# Altium PCB P-MT3620RDB-1-7.PcbDoc (part 4 of 4)
Units mm, origin at the board's own origin, x right, y up, seen from the top; angles counter-clockwise.
Board outline 50 x 85 mm, 4 copper layers (Component Side, Ground Plane, Power Plane, Solder Side), stack 1.63 mm thick; 262 components, 209 nets, 901 pads, 818 vias.
Unrouted connection lines stored in the file: 5.
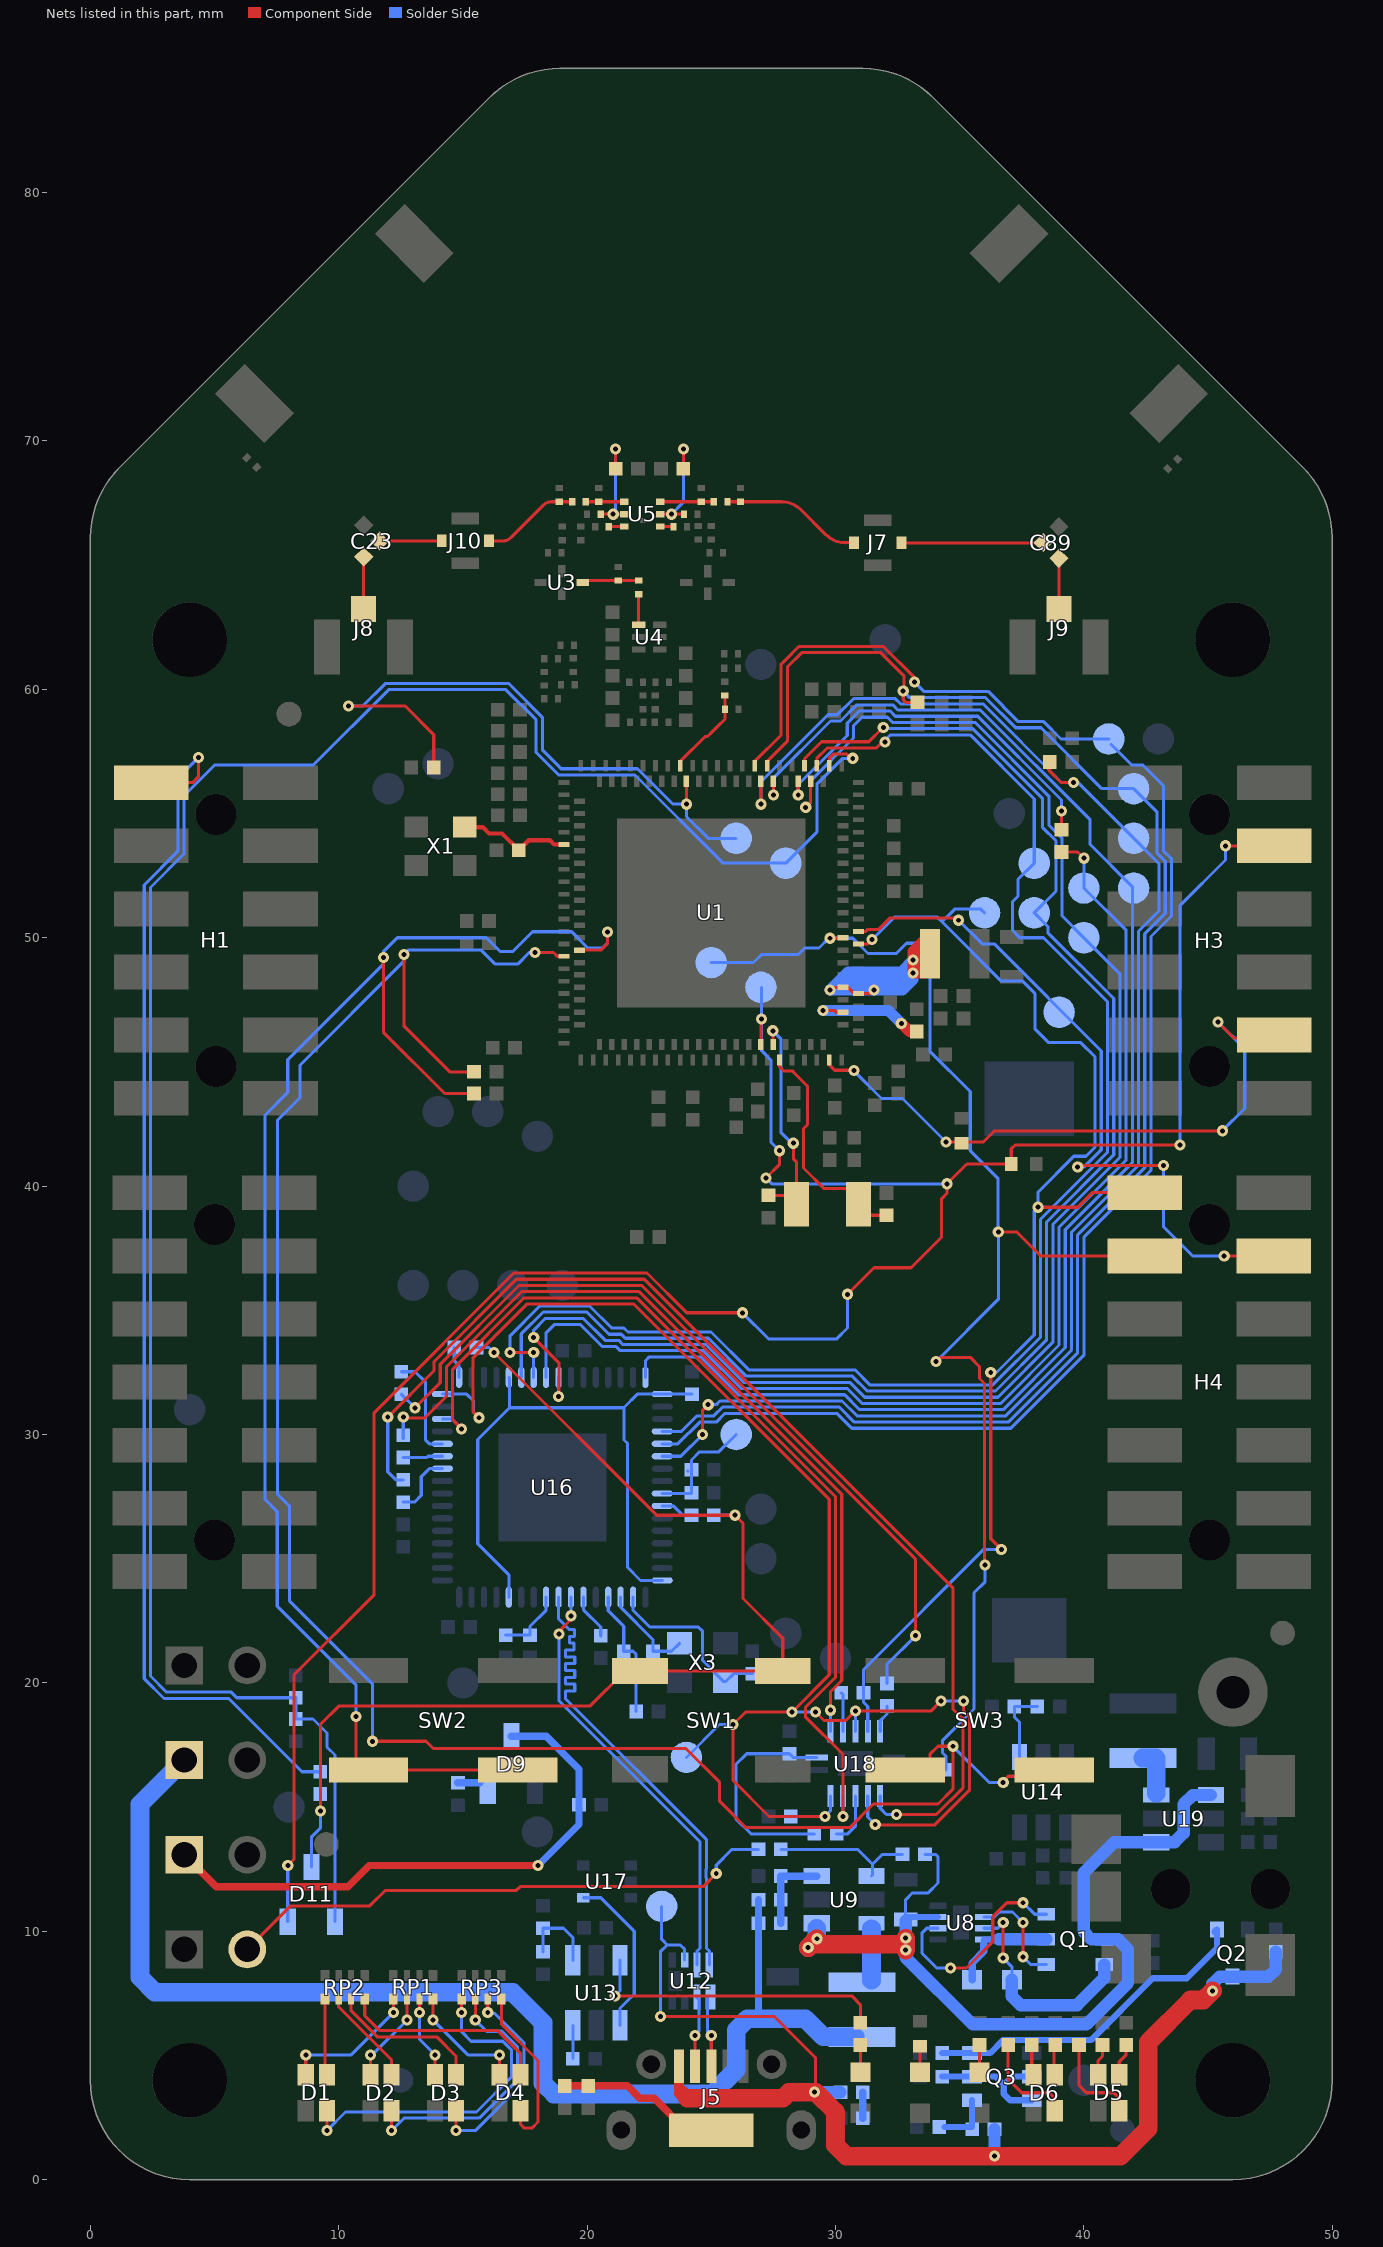
[diagram p6: the nets of this part, all layers, seen from the top]

## Via types
v1: diameter 0.45, hole 0.2, Component Side to Solder Side, tented both sides, 816 vias
v2: diameter 0.6, hole 0.3, Component Side to Solder Side, tented both sides, 2 vias

## Nets (pads, with @x,y where several pads share a name; then routed paths per layer and width w, separated by ;. In a path a pad name is that pad's centre, name@x,y a point inside that pad or via, vN(x,y) a via of type N, cw(c..) or ccw(c..) an arc to the next point about the centre after c; other vN are vias at no path point) (continued)
NetC17_1: C17.1 C18.2 U5.1 | length 1.5
  Component Side w0.125: C17.1@19.95,67.55 C18.2@20.475,67.55 U5.1@21.5,67.55
NetC17_2: C17.2 C19.2 J10.1 | length 4
  Component Side w0.125: J10.1@16.05,65.975 16.625,65.975 ccw(c16.625,66.399) 16.924,66.098 18.252,67.426 cw(c18.55,67.126) 18.55,67.55 C19.2@18.875,67.55 C17.2@19.4,67.55
NetC20_1: C20.1 C21.2 U5.6 | length 2.1
  Component Side w0.125: U5.6@22.95,67.55 C21.2@24.6,67.55 C20.1@25.1,67.55
NetC20_2: C20.2 C22.2 J7.1 | length 5.7
  Component Side w0.125: C20.2@25.65,67.55 C22.2@26.175,67.55 ; C22.2@26.175,67.55 27.825,67.551 cw(c27.825,66.437) 28.609,67.228 29.589,66.248 ; 29.597,66.241 cw(c30.418,67.069) 29.589,66.248 ; 29.609,66.228 29.589,66.248 ; 29.613,66.225 ccw(c30.397,67.016) 30.397,65.902 J7.1@30.75,65.9
NetC23_1: C23.1 J10.2 | length 2.5
  Component Side w0.125: C23.1@11.643,65.968 14.143,65.968 J10.2@14.15,65.975
NetC23_3: C23.3 J8.1 | length 1.7
  Component Side w0.125: J8.1@11,63.625 C23.3@11,65.332
NetC25_2: C25.2 Q1.5 R40.1 U8.3 U9.4 U19.1 U19.4 | length 36.1
  Component Side w0.75: v1(28.9,9.35) v1@29.025,9.475 ; v1(29.25,9.7) v1@29.025,9.475 ; v1(32.825,9.25) 32.825,9.475 ; v1(32.825,9.725) 32.825,9.475 ; v1@29.025,9.475 32.825,9.475
  Solder Side w0.125: C25.2@32.825,10.475 32.825,11.275 33.1,11.55 33.729,11.55 34.125,11.946 34.125,12.996 34.021,13.1 R40.1@33.6,13.1
  Solder Side w0.25: C25.2@32.85,10.575 U8.3@34.125,10.575
  Solder Side w0.5: C25.2@32.825,10.425 32.825,8.95 35.525,6.25 40.1,6.25 41.775,7.925 41.775,9.275 41.375,9.675 Q1.5@40.813,9.675 40.809,9.679 40.293,9.679 40,9.972 40,12.363 41.225,13.587 U19.1@42.918,13.587 43.65,13.587 44.018,13.955 44.018,15.12 44.386,15.488 U19.4@45.118,15.488
  Solder Side w0.75: v1(28.9,9.35) v1(29.25,9.7) U9.4@29.25,10.125
NetC26_1: C26.1 R4.2 R5.1 U9.6 | length 3.3
  Solder Side w0.3: C26.1@27.8,10.325 R4.2@27.8,11.275 R5.1@27.8,12.225 U9.6@29.25,12.225
NetC26_2: C26.2 C27.2 J2.1 L9.2 R4.1 | length 48.8
  Solder Side w0.3: 26.9,6.65 C26.2@26.9,10.325 R4.1@26.9,11.275
  Solder Side w0.75: J2.1@3.781,16.894 2,15.114 2,8.15 2.6,7.55 17,7.55 18.225,6.325 18.225,3.889 18.664,3.45 25.025,3.45 26,4.425 26,6.025 26.45,6.475 26.9,6.475 C27.2@27.875,6.475 28.776,6.475 29.501,5.75 L9.2@30.8,5.75
NetC34_2: C34.2 U16.2 X3.3 | length 7.3
  Solder Side w0.125: U16.2@21.85,23.45 21.85,22.925 22.525,22.25 24.475,22.25 24.65,22.075 24.65,20.9 25.5,20.05 X3.3@25.575,20.05 25.9,20.375 C34.2@26.65,20.375
NetC35_2: C35.2 U16.3 X3.1 | length 3.9
  Solder Side w0.125: U16.3@21.35,23.45 21.35,23.05 22.65,21.75 C35.2@22.65,21.275 ; C35.2@22.7,21.275 23.4,21.275 X3.1@23.725,21.6
NetC36_2: C36.2 L12.1 U16.9 | length 2.8
  Solder Side w0.125: C36.2@16.725,21.925 17.7,21.925 17.7,22.275 18.35,22.925 U16.9@18.35,23.45
NetC41_2: C41.2 J5.6 R25.1 | length 6.6
  Component Side w0.3: R25.1@19.1,3.775 C41.2@20.05,3.775 21.625,3.775 22.125,3.275 22.7,3.275 23.975,2 J5.6@25,2
NetC42_2: C42.2 U16.12 U16.37 U16.49 U16.64 | length 25.6
  Solder Side w0.125: U16.12@16.85,23.45 16.85,24.35 15.6,25.6 15.6,29.8 16.875,31.075 ; U16.37@16.85,32.3 16.875,32.275 16.875,31.075 ; 21.475,31.075 16.875,31.075 ; U16.64@23.025,24.125 22.15,24.125 21.625,24.65 21.625,29.642 21.487,29.779 21.487,31.088 22.025,31.625 U16.49@23.025,31.625 C42.2@24.225,31.625
NetC43_2: C43.2 U1.10 X1.3 | length 4.6
  Component Side w0.17: X1.3@15.075,54.45 15.8,54.45 16.05,54.2 16.575,54.2 C43.2@17.25,53.525 17.65,53.925 18.5,53.925 18.675,53.75 U1.10@19.075,53.75
NetC44_2: C44.2 L11.1 U16.4 | length 5.3
  Solder Side w0.125: U16.4@20.85,23.45 20.85,22.9 21.475,22.275 C44.2@21.475,21.275 21.85,21.275 21.975,21.15 L11.1@21.975,18.85
NetC52_1: C52.1 U1.87 | length 5
  Component Side w0.125: v1(29.5,47.075) 29.95,47.075 30.025,47 U1.87@30.3,47
  Component Side w0.45: v1(32.65,46.55) 32.975,46.225 C52.1@33.275,46.225
  Solder Side w0.45: v1(29.5,47.075) 32.125,47.075 v1(32.65,46.55)
NetC87_2: C87.2 U1.72 X2.1 | length 8.6
  Component Side w0.125: C87.2@27.3,39.625 28.075,39.625 X2.1@28.425,39.275 ; v1(27.476,46.252) 27.476,45.724 U1.72@27.5,45.7 ; v1(28.301,41.727) 28.301,41.099 28.425,40.975 X2.1@28.425,39.9
  Solder Side w0.125: v1(27.476,46.252) 27.8,45.929 27.8,42.167 28.265,41.702 28.29,41.727 v1(28.301,41.727)
NetC88_2: C88.2 U1.73 X2.2 | length 9
  Component Side w0.125: U1.73@27.75,45.075 27.75,44.8 27.887,44.663 27.887,44.654 27.904,44.638 28.262,44.638 28.413,44.487 28.413,44.485 28.875,44.023 28.875,42.474 28.714,42.313 28.714,41.898 28.714,40.73 29.544,39.9 X2.2@30.925,39.9 ; X2.2@30.925,39.275 31.375,38.825 C88.2@32.05,38.825
NetC89_1: C89.1 J7.2 | length 5.7
  Component Side w0.125: J7.2@32.65,65.9 J7.2@32.655,65.895 ; J7.2@32.675,65.875 J7.2@32.655,65.895 ; C89.1@38.357,65.907 38.345,65.895 J7.2@32.655,65.895
NetC89_2: C89.2 J9.1 | length 1.6
  Component Side w0.125: J9.1@38.993,63.632 C89.2@38.993,65.27
NetC91_2: C91.2 R37.2 U5.2 | length 4.4
  Component Side w0.125: C91.2@20.55,67.05 v1(21.05,67.05) U5.2@21.5,67.05 ; R37.2@21.15,68.875 v1(21.15,69.675)
  Solder Side w0.125: v1(21.05,67.05) 21.15,67.15 v1(21.15,69.675)
NetC92_2: C92.2 R39.2 U5.5 | length 4.6
  Component Side w0.125: U5.5@22.95,67.05 v1(23.4,67.05) C92.2@23.9,67.05 ; R39.2@23.875,68.875 v1(23.875,69.675)
  Solder Side w0.125: v1(23.4,67.05) 23.875,67.525 v1(23.875,69.675)
NetC93_1: C93.1 U5.4 | length 0.5
  Component Side w0.125: U5.4@22.95,66.55 C93.1@23.475,66.55
NetC94_1: C94.1 U5.3 | length 0.6
  Component Side w0.125: C94.1@20.9,66.55 U5.3@21.5,66.55
NetC95_1: C95.1 R61.1 | length 1.1
  Solder Side w0.3: R61.1@31.1,2.475 C95.1@31.1,3.525
NetC96_2: C96.2 Q3.1 R62.2 | length 2.2
  Solder Side w0.25: C96.2@34.4,2.125 35.5,2.125 Q3.1@35.5,3.2
NetC97_2: C97.2 D9.3 J3.1 | length 23
  Component Side w0.3: J3.1@3.781,13.084 5.065,11.8 10.375,11.8 11.225,12.65 v1(18.025,12.65)
  Solder Side w0.3: D9.3@16.95,17.85 18.35,17.85 19.675,16.525 19.675,14.3 v1(18.025,12.65)
NetD1_1: D1.1 RP1.1 | length 5.6
  Component Side w0.125: D1.1@8.675,4.225 v1(8.675,5.025) ; v1@12.2,6.7 v1(12.2,6.725) RP1.1@12.2,7.275
  Solder Side w0.125: v1(8.675,5.025) 10.5,5.025 v1(12.2,6.725)
NetD1_2: D1.2 RP2.1 | length 3.1
  Component Side w0.125: RP2.1@9.45,7.275 9.45,4.3 D1.2@9.525,4.225
NetD1_3: D1.3 RP3.1 | length 13.8
  Component Side w0.125: v1(9.525,1.975) D1.3@9.525,2.775 ; v1(14.95,6.725) RP3.1@14.95,7.275
  Solder Side w0.125: v1(9.525,1.975) 10.277,2.727 15.545,2.727 16.95,4.131 16.95,5.232 16.607,5.575 15.325,5.575 14.95,5.95 v1(14.95,6.725)
NetD2_1: D2.1 RP1.3 | length 3.7
  Component Side w0.125: D2.1@11.275,4.225 v1(11.275,5.025) ; v1(12.75,6.425) RP1.3@12.75,7.275
  Solder Side w0.125: v1(11.275,5.025) 11.35,5.025 v1(12.75,6.425)
NetD2_2: D2.2 RP2.3 | length 3.9
  Component Side w0.125: RP2.3@10,7.275 10,6.95 12.125,4.825 D2.2@12.125,4.225
NetD2_3: D2.3 RP3.3 | length 11
  Component Side w0.125: v1(12.125,1.975) D2.3@12.125,2.775 ; v1(15.5,6.425) RP3.3@15.5,7.275
  Solder Side w0.125: v1(12.125,1.975) 12.627,2.477 15.652,2.477 17.203,4.028 17.203,5.343 16.571,5.975 15.95,5.975 v1(15.5,6.425)
NetD3_1: D3.1 RP1.5 | length 3.3
  Component Side w0.125: v1@13.25,6.7 v1(13.25,6.725) RP1.5@13.25,7.275 ; D3.1@13.875,4.225 v1(13.875,5.025)
  Solder Side w0.125: v1(13.25,6.725) 13.25,5.65 v1(13.875,5.025)
NetD3_2: D3.2 RP2.5 | length 6.2
  Component Side w0.125: RP2.5@10.5,7.275 10.5,6.804 11.554,5.75 13.95,5.75 14.725,4.975 D3.2@14.725,4.225
NetD3_3: D3.3 RP3.5 | length 8.4
  Component Side w0.125: v1(14.725,1.975) D3.3@14.725,2.775 ; v1(16,6.725) RP3.5@16,7.275
  Solder Side w0.125: v1(14.725,1.975) 15.504,1.975 17.46,3.931 17.46,5.521 16.295,6.686 16.039,6.686 v1(16,6.725)
NetD4_1: D4.1 RP1.7 | length 4.9
  Component Side w0.125: v1(13.8,6.425) RP1.7@13.8,7.275 ; D4.1@16.475,4.225 v1(16.475,5.025)
  Solder Side w0.125: v1(13.8,6.425) 15.2,5.025 v1(16.475,5.025)
NetD4_2: D4.2 RP2.7 | length 8.4
  Component Side w0.125: RP2.7@11.05,7.275 11.05,6.607 11.657,6 16.4,6 17.325,5.075 D4.2@17.325,4.225
NetD4_3: D4.3 RP3.7 | length 7
  Component Side w0.125: RP3.7@16.55,7.275 16.55,6.275 18.025,4.8 18.025,2.325 17.775,2.075 17.475,2.075 17.325,2.225 D4.3@17.325,2.775
NetD5_1: D5.1 R14.1 | length 1.3
  Component Side w0.125: D5.1@40.575,4.225 40.575,4.8 40.75,4.975 R14.1@40.75,5.425
NetD5_2: D5.2 R15.1 | length 1.3
  Component Side w0.125: D5.2@41.425,4.225 41.425,4.75 41.7,5.025 R15.1@41.7,5.425
NetD5_3: D5.3 R16.2 | length 4
  Component Side w0.125: R16.2@39.8,5.425 39.8,3.8 40.1,3.5 41.2,3.5 41.425,3.275 D5.3@41.425,2.775
NetD6_1: D6.1 R17.1 | length 1.2
  Component Side w0.125: R17.1@37.9,5.425 37.9,4.3 D6.1@37.975,4.225
NetD6_2: D6.2 R18.1 | length 1.2
  Component Side w0.125: R18.1@38.8,5.425 38.8,4.25 D6.2@38.825,4.225
NetD6_3: D6.3 R19.2 | length 4.1
  Component Side w0.125: R19.2@36.95,5.425 36.95,4.05 37.5,3.5 38.6,3.5 38.825,3.275 D6.3@38.825,2.775
NetD7_2: D7.2 R6.2 | length 0.9
  Component Side w0.125: D7.2@35.8,4.325 R6.2@35.8,5.2
NetD8_2: D8.2 R13.2 | length 1.1
  Component Side w0.125: D8.2@31,4.325 R13.2@31,5.425
NetD9_2: D9.2 R63.1 | length 0.9
  Solder Side w0.3: R63.1@14.8,15.975 D9.2@15.675,15.975
NetD10_2: D10.2 R64.2 | length 1.1
  Component Side w0.125: D10.2@33.4,4.325 R64.2@33.4,5.375
NetH1_1: H1.1 R66.2 | length 49.4
  Component Side w0.125: H1.1@2.457,56.239 2.468,56.25 4.124,56.25 4.349,56.475 4.349,57.249 v1(4.35,57.25)
  Solder Side w0.125: v1(4.35,57.25) 3.525,56.425 3.525,53.479 2.171,52.125 2.171,20.171 2.967,19.375 5.572,19.375 8.522,16.425 R66.2@9.261,16.425
NetJ4_2: J4.2 R65.2 | length 22.4
  Component Side w0.125: J4.2@6.321,9.274 8.071,11.025 11.257,11.025 11.882,11.65 17.152,11.65 17.302,11.8 24.672,11.8 v1(25.2,12.328)
  Solder Side w0.125: v1(25.2,12.328) 25.2,12.664 25.836,13.3 R65.2@26.9,13.3
NetL1_1: L1.1 L13.2 U1.149 | length 3.6
  Component Side w0.125: U1.149@23.75,56.925 23.75,57.1 24.75,58.1 24.85,58.1 24.996,58.246 25.237,58.488 25.55,58.8 L1.1@25.55,59.75
NetL3_1: L3.1 U19.3 | length 1.9
  Solder Side w0.75: L3.1@42.375,16.975 42.893,16.975 42.918,16.95 U19.3@42.918,15.563
NetL4_1: L4.1 U4.1 | length 1.2
  Component Side w0.125: U4.1@22.075,62.6 L4.1@22.075,63.825
NetL4_2: L4.2 L5.2 U3.1 | length 2.3
  Component Side w0.125: U3.1@19.812,64.375 L4.2@22.075,64.375
NetL9_1: L9.1 U9.3 | length 2.1
  Solder Side w0.75: L9.1@31.45,8.025 U9.3@31.45,10.1
NetL10_1: L10.1 U1.90 U1.91 | length 16.6
  Component Side w0.125: v1(29.775,47.9) 29.875,48 30.5,48 30.75,47.75 31.4,47.75 v1(31.55,47.9)
  Component Side w0.45: L10.1@33.425,49.4 L10.1@33.425,48.575 ; L10.1@33.8,50.125 33.125,49.45 v1(33.125,49.1) v1(33.125,48.575) L10.1@33.425,48.575 ; L10.1@33.85,48.7 33.725,48.575 L10.1@33.425,48.575 ; L10.1@33.85,49.825 L10.1@33.85,49.9
  Solder Side w0.45: 32.6,48.325 30.375,48.325 30.675,48.625 ; 30.675,48.625 32.65,48.625 v1(33.125,49.1) v1(33.125,48.575) 33.125,48.325 32.7,47.9 v1(31.55,47.9) v1(29.775,47.9) 30.5,48.625 30.675,48.625
  Solder Side w0.6: 32.6,48.325 32.95,48.325
NetQ1_1: Q1.1 U8.6 | length 4.3
  Component Side w0.125: v1(37.55,8.975) v1(37.55,10.35)
  Solder Side w0.125: U8.6@35.975,10.575 36.392,10.575 36.592,10.775 37.125,10.775 v1(37.55,10.35) ; v1(37.55,8.975) 37.86,8.665 Q1.1@38.487,8.665
NetQ1_2: Q1.2 R3.2 U8.8 | length 4.2
  Solder Side w0.25: U8.8@35.975,9.675 36.575,9.675
  Solder Side w0.3: R3.2@35.5,8.05 35.5,8.725 35.975,9.2 35.975,9.525
  Solder Side w0.5: 36.575,9.675 Q1.2@38.487,9.675
NetQ1_3: Q1.3 U8.2 | length 8.7
  Component Side w0.125: v1(34.625,8.525) 35.275,8.525 36.331,9.581 36.331,10.581 36.9,11.15 v1(37.55,11.15)
  Solder Side w0.125: U8.2@34.125,10.125 33.675,10.125 33.475,9.925 33.475,9.125 34.075,8.525 v1(34.625,8.525) ; v1(37.55,11.15) 38.015,10.685 Q1.3@38.487,10.685
NetQ1_6: Q1.6 R3.1 U8.7 | length 8.8
  Component Side w0.125: v1(36.75,8.925) v1(36.75,10.35)
  Solder Side w0.125: U8.7@35.975,10.125 36.525,10.125 v1(36.75,10.35) ; v1(36.75,8.925) 37.1,8.575 R3.1@37.1,8.05
  Solder Side w0.5: R3.1@37.1,8.05 37.1,7.375 37.45,7.025 39.725,7.025 40.813,8.113 Q1.6@40.813,8.665
NetQ2_1: Q2.1 Q3.3 R57.1 | length 13.7
  Solder Side w0.25: R57.1@34.3,5.1 Q3.3@35.5,5.1 36.225,5.1 36.75,5.625 40.287,5.625 42.775,8.113 44.143,8.113 45.355,9.325 Q2.1@45.355,10.075 Q2.1@45.255,9.975
NetQ3_2: Q3.2 Q3.5 Q3.6 R56.1 | length 5.5
  Solder Side w0.25: R56.1@34.3,4.15 Q3.2@35.5,4.15 36.45,4.15 36.775,3.825 ; Q3.6@37.9,3.2 37.025,3.2 36.775,3.45 36.775,3.825 ; Q3.5@37.9,4.15 37.1,4.15 36.775,3.825
NetR7_1: R7.1 U16.58 | length 1.3
  Solder Side w0.125: U16.58@23.025,27.125 23.475,27.125 23.85,26.75 R7.1@24.2,26.75
NetR10_1: R10.1 R12.2 U13.4 | length 3.2
  Solder Side w0.125: R12.2@18.225,9.175 R10.1@18.225,10.125 19.05,10.125 19.425,9.75 U13.4@19.425,8.835
NetR11_1: R11.1 U13.3 | length 1.3
  Solder Side w0.125: R11.1@19.425,4.875 U13.3@19.425,6.215
NetR13_1: R13.1 U13.6 | length 12.3
  Component Side w0.125: v1(21.125,7.4) 30.65,7.4 31,7.05 R13.1@31,6.325
  Solder Side w0.125: v1(21.125,7.4) 21.325,7.6 U13.6@21.325,8.835
NetR26_1: R26.1 R27.2 U14.1 | length 3
  Solder Side w0.125: U14.1@37.4,17.025 37.4,18.425 37.2,18.625 R27.2@37.2,19.05 R26.1@38.125,19.05
NetR30_1: R30.1 U16.6 | length 1.8
  Solder Side w0.125: U16.6@19.85,23.45 19.85,22.95 20.55,22.25 R30.1@20.55,21.9
NetR36_1: R36.1 U16.33 | length 1.3
  Solder Side w0.125: R36.1@14.65,33.501 14.65,32.975 14.85,32.775 U16.33@14.85,32.3
NetR40_2: R40.2 R65.1 U9.1 | length 5.8
  Solder Side w0.125: R65.1@27.8,13.3 30.884,13.3 31.487,12.696 ; U9.1@31.45,12.225 31.487,12.262 31.487,12.696 ; R40.2@32.7,13.1 31.891,13.1 31.487,12.696
NetR44_2: R44.2 U18.3 | length 1.6
  Solder Side w0.125: R44.2@30.225,19.6 30.3,19.525 U18.3@30.3,18.05
NetR45_2: R45.2 U18.6 | length 1.1
  Solder Side w0.125: U18.6@31.8,18.05 31.8,18.475 32.075,18.75 R45.2@32.075,19.075
NetR46_2: R46.2 U18.8 | length 1.1
  Solder Side w0.125: U18.8@32.35,16.5 R46.2@33.4,16.5
NetR47_2: R47.2 U18.11 | length 2.1
  Solder Side w0.125: R47.2@30.05,13.925 30.5,13.925 30.8,14.225 U18.11@30.8,15.45
NetR48_1: R48.1 U16.26 | length 2.6
  Solder Side w0.125: R48.1@12.6,27.275 13.05,27.275 13.325,27.55 13.325,28.3 13.65,28.625 U16.26@14.175,28.625
NetR49_1: R49.1 U16.27 | length 1.6
  Solder Side w0.125: R49.1@12.6,29.075 13.55,29.075 13.6,29.125 U16.27@14.175,29.125
NetR50_1: R50.1 U16.28 | length 4.2
  Solder Side w0.125: R50.1@12.525,32.525 13.075,32.525 13.5,32.1 13.5,29.775 13.65,29.625 U16.28@14.175,29.625
NetR55_2: R55.2 U1.130 | length 15.8
  Component Side w0.125: v1(28.5,55.75) U1.130@28.5,56.3 ; v1@39.05,55.05 v1(39.1,55.1) R55.2@39.1,54.35
  Solder Side w0.125: v1(28.5,55.75) 28.5,56.167 30.475,58.142 30.475,58.637 30.963,59.125 32.199,59.125 32.409,58.915 35.729,58.915 39.1,55.544 v1(39.1,55.1)
NetU13_1: U13.1 U17.4 | length 6.6
  Solder Side w0.125: U17.4@19.85,11.35 20.55,11.35 21.9,10 21.9,7.475 21.325,6.9 U13.1@21.325,6.215
PMU_EN: H3.10 R42.2 U1.81 | length 25.5
  Component Side w0.125: U1.81@29.75,45.075 29.75,44.882 29.969,44.663 v1@30.9,44.663 ; v1(34.45,41.775) 35.075,41.775 35.95,41.775 36.4,42.225 v1(45.575,42.225) ; v1(45.4,46.6) 46.043,45.957 47.535,45.957 H3.10@47.657,46.079
  Solder Side w0.125: v1@30.816,44.729 30.816,44.559 31.85,43.525 32.7,43.525 v1(34.45,41.775) ; v1(45.4,46.6) 46.475,45.525 46.475,43.125 v1(45.575,42.225)
  other v1: 30.741,44.65
RECOVERY: 3.1 R35.2 R38.1 U16.57 | length 4.7
  Solder Side w0.125: U16.57@23.025,27.625 R35.2@24.2,27.625 ; R35.2@24.2,27.65 R38.1@24.2,28.575 24.2,28.975 24.525,29.3 25.3,29.3 3.1@26,30
RECOVERY_CTS: 28.1 U1.137 U16.53 | length 65.9
  Component Side w0.125: U1.137@26.75,56.925 26.75,57.1 27.813,58.163 27.813,61.013 27.975,61.175 28.525,61.725 31.929,61.725 33.175,60.479 v1(33.175,60.3)
  Solder Side w0.125: U16.53@23.025,29.625 23.654,29.625 24.529,30.5 25.204,30.5 25.554,30.85 30.057,30.85 30.657,30.25 37.061,30.25 40,33.189 40,37.936 42.7,40.636 42.7,50.05 43.525,50.875 43.525,53.182 43.2,53.507 43.2,56.125 42.375,56.95 41.925,56.95 28.1@41.1,57.775 ; v1(33.175,60.3) 33.56,59.915 36.143,59.915 37.358,58.7 37.918,58.7 38.125,58.7 38.379,58.7 39.079,58 28.1@41,58
RECOVERY_RTS: 27.1 R21.2 U1.136 U16.54 | length 64.2
  Component Side w0.125: v1(24.65,30) 24.65,30.975 v1(24.875,31.2) ; v1(27,55.375) U1.136@27,56.3 ; R21.2@38.625,57.25 R21.2@38.625,57.075 38.625,56.7 39.075,56.25 v1(39.575,56.25)
  Solder Side w0.125: U16.54@23.025,29.125 23.775,29.125 v1(24.65,30) ; v1(24.875,31.2) 25.196,31.2 25.346,31.35 30.264,31.35 30.864,30.75 36.854,30.75 39.5,33.396 39.5,38.143 42.2,40.843 42.2,50.257 43.025,51.082 43.025,52.975 27.1@42,54 39.625,56.375 39.575,56.325 v1(39.575,56.25) 39.101,56.25 35.936,59.415 32.616,59.415 32.407,59.625 30.725,59.625 30.075,58.975 29.696,58.975 27,56.279 v1(27,55.375)
RECOVERY_RXD: 25.1 U1.134 U16.48 | length 59.7
  Component Side w0.125: v1(27.5,55.75) U1.134@27.5,56.3
  Solder Side w0.125: U16.48@22.35,32.3 22.35,32.975 22.5,33.125 24.575,33.125 26.1,31.6 30.368,31.6 30.968,31 36.75,31 39.25,33.5 39.25,38.246 41.95,40.946 41.95,52.05 40.25,53.75 40.25,54.748 35.832,59.165 32.513,59.165 32.303,59.375 30.85,59.375 30.2,58.725 29.8,58.725 27.5,56.425 v1(27.5,55.75)
RECOVERY_TXD: 26.1 R20.2 U1.135 U16.52 | length 65.3
  Component Side w0.125: U1.135@27.25,56.925 27.25,57.1 28.063,57.913 28.063,60.897 28.64,61.475 31.825,61.475 32.752,60.548 v1@32.752,59.953 ; v1(32.727,59.928) 32.727,59.573 32.825,59.475 R20.2@33.3,59.475
  Solder Side w0.125: U16.52@23.025,30.125 23.8,30.125 24.425,30.75 25.1,30.75 25.45,31.1 30.161,31.1 30.761,30.5 36.957,30.5 39.75,33.293 39.75,38.039 42.45,40.739 42.45,50.154 43.275,50.979 43.275,53.079 42.95,53.404 42.95,55.05 26.1@42,56 40.725,56 38.275,58.45 37.255,58.45 36.039,59.665 32.989,59.665 v1(32.727,59.928)
RESET: D11.3 R7.2 R36.2 R66.1 SW1.1 SW1.2 | length 47
  Component Side w0.125: v1(9.262,14.839) 9.262,18.323 10.002,19.063 20.113,19.063 21.525,20.475 SW1.1@22.125,20.475 SW1.2@27.875,20.475 27.875,21.8 26.275,23.4 26.275,26.425 v1(25.95,26.75) 22.8,26.75 v1(16.25,33.3)
  Solder Side w0.125: D11.3@8.9,12.588 8.9,13.789 9.262,14.151 R66.1@9.261,15.525 ; R36.2@15.55,33.501 16.05,33.5 v1(16.25,33.3) ; R7.2@25.325,26.75 v1(25.95,26.75)
SERVICE_CTS: 32.1 R55.1 U16.40 | length 47.3
  Component Side w0.125: R55.1@39.1,53.45 39.75,53.45 v1(40,53.2)
  Solder Side w0.125: U16.40@18.35,32.3 18.35,34.1 18.675,34.425 19.735,34.425 20.622,33.538 20.829,33.538 21.171,33.538 21.333,33.375 21.704,33.375 24.679,33.375 26.204,31.85 30.471,31.85 31.071,31.25 36.646,31.25 39,33.604 39,38.35 41.7,41.05 41.7,50.3 32.1@40,52 v1(40,53.2)
SERVICE_RTS: 31.1 U1.128 U16.41 | length 66.1
  Component Side w0.125: v1(17.85,33.9) 18.875,32.875 v1@18.875,31.525 ; v1(28.8,55.25) 29,55.45 U1.128@29,56.3
  Solder Side w0.125: v1(17.85,33.9) 17.85,34.196 18.329,34.675 19.838,34.675 20.726,33.788 21.274,33.788 21.437,33.625 21.807,33.625 24.782,33.625 26.307,32.1 30.575,32.1 31.175,31.5 36.543,31.5 38.75,33.707 38.75,38.454 41.45,41.154 41.45,48.55 31.1@40,50 39.125,50.875 39.125,54 38.591,54.534 38.591,55.7 35.625,58.665 32.305,58.665 32.096,58.875 31.067,58.875 30.725,58.533 30.725,58.038 29,56.313 29,55.45 v1(28.8,55.25) ; v1(18.85,31.525) U16.41@18.85,32.3 U16.41@18.875,32.275
SERVICE_RXD: 29.1 U1.129 U16.38 | length 61.8
  Component Side w0.125: U1.129@28.75,56.925 28.75,57.2 29.438,57.888 31.337,57.888 31.912,58.463 v1(31.925,58.463)
  Solder Side w0.125: U16.38@17.35,32.3 17.35,34.05 18.225,34.925 19.996,34.925 20.884,34.038 21.378,34.038 21.54,33.875 21.911,33.875 24.886,33.875 26.411,32.35 30.679,32.35 31.279,31.75 36.439,31.75 38.5,33.811 38.5,38.557 41.2,41.257 41.2,47.55 38.55,50.2 38.55,50.45 29.1@38,51 38.875,51.875 38.875,53.896 38.341,54.431 38.341,55.596 35.521,58.415 31.935,58.415 v1@31.925,58.425
SERVICE_TXD: 30.1 U1.127 U16.39 | length 62.5
  Component Side w0.125: v1(16.9,33.3) v1(17.85,33.3) ; U1.127@29.25,56.925 29.25,57.225 29.663,57.638 31.637,57.638 31.879,57.879 v1(31.996,57.879)
  Solder Side w0.125: v1(16.9,33.3) 16.9,33.975 18.1,35.175 20.1,35.175 20.987,34.288 21.482,34.288 21.644,34.125 22.014,34.125 24.989,34.125 26.514,32.6 30.782,32.6 31.382,32 36.336,32 38.25,33.914 38.25,38.661 40.95,41.361 40.95,47.425 38.375,50 37.424,50 37.125,50.299 37.125,51.45 37.35,51.675 37.35,52.35 30.1@38,53 38,55.583 35.418,58.165 32.211,58.165 v1@31.925,57.879 ; U16.39@17.85,32.3 v1(17.85,33.3)
SW2: R53.2 SW2.2 SW2.4 U1.27 | length 62.6
  Component Side w0.125: v1(10.7,18.65) 10.7,16.937 11.137,16.5 SW2.2@11.2,16.5 SW2.4@17.2,16.5 ; v1(11.8,49.2) 11.8,46.2 14.275,43.725 R53.2@15.45,43.725 ; U1.27@19.7,49.5 20.55,49.5 20.825,49.775 v1(20.825,50.225)
  Solder Side w0.125: v1(10.7,18.65) 10.7,19.911 7.525,23.086 7.525,26.897 7.038,27.384 7.038,42.862 7.95,43.774 7.95,45.085 11.8,48.935 v1(11.8,49.2) 11.8,49.437 12.363,50 15.95,50 16.513,49.438 16.999,49.438 17.799,50.238 19.379,50.238 20.029,49.588 20.613,49.588 20.825,49.8 v1(20.825,50.225)
SW3: R54.2 SW3.2 SW3.4 U1.28 | length 83.1
  Component Side w0.125: v1(11.367,17.65) 13.517,17.65 13.804,17.362 23.971,17.362 25.338,15.996 25.338,15.237 26.4,14.175 30.575,14.175 31.525,15.125 34.125,15.125 34.725,15.725 v1(34.725,17.45) 34.125,17.45 33.8,17.125 SW3.2@33.8,16.5 ; v1(12.625,49.325) 12.625,46.45 14.475,44.6 R54.2@15.45,44.6 ; v1(17.901,49.402) 18.648,49.402 18.8,49.25 U1.28@19.075,49.25 ; v1(36.75,15.996) 36.75,16.043 36.95,16.243 38.543,16.243 SW3.4@38.8,16.5
  Solder Side w0.125: v1(11.367,17.65) 11.367,19.95 8.025,23.293 8.025,27.104 7.538,27.591 7.538,42.655 8.45,43.567 8.45,44.878 12.625,49.053 v1(12.625,49.325) 12.8,49.5 15.743,49.5 16.305,48.938 17.206,48.938 17.671,49.402 v1(17.901,49.402) ; v1(34.725,17.45) 36.179,15.996 v1(36.75,15.996)
SWCLK: 6.1 H4.3 R46.1 U1.99 | length 54.3
  Component Side w0.125: v1(29.776,49.977) 30.277,49.977 U1.99@30.3,50 ; v1@34.021,32.938 v1(34.046,32.938) 34.116,32.938 34.282,33.104 35.425,33.104 35.8,32.728 35.8,32.254 36,32.054 36,24.775 v1(36.025,24.75) ; v1(36.555,38.15) 37.3,38.15 38.261,37.189 H4.3@42.45,37.189
  Solder Side w0.125: 6.1@25,49 26.7,49 27.025,49.325 28.5,49.325 28.763,49.588 29.337,49.588 29.727,49.977 v1(29.776,49.977) 30.698,49.977 31.31,49.365 32.447,49.365 32.858,49.775 33.404,49.775 33.8,49.379 33.8,45.432 35.425,43.807 35.425,41.429 36.538,40.316 36.538,38.167 v1(36.555,38.15) 36.555,35.44 34.052,32.938 v1(34.046,32.938) ; R46.1@34.45,16.5 34.45,17.05 34.3,17.2 34.3,17.675 35.575,18.95 35.575,23.625 36.025,24.075 v1(36.025,24.75)
SWCLK_F: R48.2 U18.9 | length 46
  Component Side w0.125: v1(11.975,30.7) 13.838,32.563 13.838,32.935 17.152,36.25 22.304,36.25 34.725,23.829 34.725,18.95 35.138,18.537 35.138,15.784 34.054,14.7 v1(32.45,14.7)
  Solder Side w0.125: v1(11.975,30.7) 11.975,28.5 12.3,28.175 R48.2@12.6,28.175 ; U18.9@31.8,15.45 31.8,14.95 32.05,14.7 v1(32.45,14.7)
SWD_EN: 23.1 R34.1 U16.32 U18.4 U18.10 U18.13 | length 63.7
  Component Side w0.125: v1(15.65,30.675) 15.413,30.913 15.413,33.096 17.567,35.25 21.889,35.25 29.75,27.389 29.75,20.325 v1(28.25,18.825) 26.375,18.825 v1(25.875,18.325) ; v1@25.875,18.275 25.875,16.075 27.325,14.625 v1(29.575,14.625) ; v1(29.201,18.826) 29.54,18.487 30.412,18.487 v1(30.8,18.875) 33.85,18.875 v1(34.25,19.275) ; v1(31.6,14.3) 31.613,14.287 33.995,14.287 35.388,15.68 35.388,18.641 35.15,18.879 v1(35.15,19.275)
  Solder Side w0.125: U16.32@14.175,31.625 15.15,31.625 15.425,31.35 15.425,30.9 v1(15.65,30.675) ; 23.1@24,17 25.325,18.325 v1(25.875,18.325) ; R34.1@28.2,14.625 v1(29.575,14.625) 29.8,14.85 U18.13@29.8,15.45 ; v1(28.25,18.825) v1(28.25,18.825) v1(29.201,18.826) ; U18.4@30.8,18.05 v1(30.8,18.875) ; U18.10@31.3,15.45 31.3,14.6 v1(31.6,14.3) ; v1(34.25,19.275) v1(35.15,19.275)
SWDIO: 7.1 H4.1 R44.1 U1.98 U18.5 | length 52.4
  Component Side w0.125: U1.98@30.925,49.75 31.3,49.75 v1(31.475,49.925) ; v1@36.25,32.275 36.25,25.8 v1(36.675,25.375) ; v1(38.15,39.15) 39.75,39.15 40.35,39.75 H4.1@42.429,39.75 ; H4.1@41.979,39.3 H4.1@42.429,39.75 ; H4.1@42.45,39.729 H4.1@42.429,39.75
  Solder Side w0.125: U18.5@31.3,18.05 31.3,19.05 31.125,19.225 R44.1@31.125,19.6 31.125,20.525 35.975,25.375 v1(36.675,25.375) ; v1(31.475,49.925) 32.375,50.825 34.1,50.825 34.288,50.638 34.8,51.15 35.85,51.15 7.1@36,51 ; 34.295,50.63 36.675,48.25 37.533,48.25 38.025,47.758 38.025,46.329 38.579,45.775 39.879,45.775 40.45,45.204 40.45,41.568 40.082,41.2 39.592,41.2 38.15,39.758 v1(38.15,39.15) 38,39 38,34.018 36.499,32.517 36.267,32.517 v1(36.25,32.5)
SWDIO_DIR: R32.1 R47.1 U18.1 | length 9.1
  Solder Side w0.125: R47.1@29.15,13.925 26.6,13.925 25.987,14.537 25.987,16.712 26.425,17.15 R32.1@28.15,17.15 28.3,17 U18.1@29.25,17
SWDIO_DIR_F: U16.30 U18.12 | length 38.2
  Component Side w0.125: v1(14.95,30.225) 14.588,30.588 14.588,32.624 17.463,35.5 21.993,35.5 30,27.493 30,20.221 28.789,19.01 28.789,18.636 30.3,17.125 v1(30.3,14.625)
  Solder Side w0.125: U16.30@14.175,30.625 14.55,30.625 v1(14.95,30.225) ; v1(30.3,14.625) U18.12@30.3,15.45
SWDIO_IN_F: R45.1 R50.2 | length 33.4
  Component Side w0.125: v1(13.075,31.075) 14.088,32.088 14.088,32.832 17.256,36 22.2,36 33.225,24.975 v1(33.225,21.9)
  Solder Side w0.125: R50.2@12.525,31.625 v1(13.075,31.075) ; R45.1@32.075,19.975 32.075,20.75 v1(33.225,21.9)
SWDIO_OUT_F: R49.2 U18.2 | length 34.4
  Component Side w0.125: v1(12.6,30.7) 12.638,30.662 13.462,30.662 14.338,31.538 14.338,32.728 17.36,35.75 22.096,35.75 30.25,27.596 30.25,20.1 29.8,19.65 v1(29.8,18.9)
  Solder Side w0.125: R49.2@12.6,29.85 R49.2@12.6,29.975 v1(12.6,30.7) ; U18.2@29.8,18.05 v1(29.8,18.9)
SWO: 8.1 H4.4 U1.100 | length 28.3
  Component Side w0.125: U1.100@30.95,50.225 U1.100@30.925,50.25 31.217,50.25 31.304,50.338 31.738,50.338 32.2,50.8 34.852,50.8 v1(34.95,50.702) ; v1(39.75,40.775) 39.8,40.825 v1(43.2,40.825) ; v1(45.649,37.189) H4.4@47.65,37.189
  Solder Side w0.125: v1(34.95,50.702) 35.902,49.75 36.387,49.75 40.7,45.437 40.7,41.464 40.011,40.775 v1(39.75,40.775) ; v1(43.2,40.825) 43.2,38.375 44.386,37.189 v1(45.649,37.189)
SYSRST_N: 5.1 C37.2 D11.1 R8.2 U1.125 | length 89
  Component Side w0.125: U1.125@29.75,56.8 29.768,56.818 29.768,57.243 29.912,57.387 30.459,57.387 30.572,57.275 v1@30.65,57.275
  Solder Side w0.125: D11.1@9.85,10.388 9.85,17.095 9.53,17.415 9.53,17.983 8.963,18.55 R8.2@8.275,18.55 C37.2@8.275,19.401 5.899,19.401 5.674,19.626 3.07,19.626 2.421,20.275 2.421,52.021 3.775,53.375 3.775,55.715 5.01,56.95 8.971,56.95 12.009,59.988 16.73,59.988 17.95,58.768 17.95,57.457 18.857,56.55 21.929,56.55 25.479,53 5.1@28,53 29.25,54.25 29.25,56.183 30.288,57.221 v1(30.695,57.221)
TEST_IN: 9.1 R51.1 U1.148 | length 25.8
  Component Side w0.125: v1(10.4,59.325) 12.675,59.325 13.825,58.175 R51.1@13.825,56.85 ; v1(24,55.375) U1.148@24,56.3
  Solder Side w0.125: v1(10.4,59.325) 10.975,59.325 11.888,60.238 16.834,60.238 18.2,58.871 18.2,57.561 18.961,56.8 22.032,56.8 23.457,55.375 v1(24,55.375) 24,54.875 24.875,54 9.1@26,54
USB_F_N: U12.7 U16.7 | length 17.5
  Component Side w0.125: v1(18.875,21.975) 18.875,22.075 19.35,22.55 v1(19.35,22.7)
  Solder Side w0.125: v1@18.875,22 v1(18.875,21.975) 18.875,19.271 24.55,13.596 24.55,12.615 24.537,12.602 24.537,12.053 24.55,12.041 24.55,9.325 24.425,9.2 U12.7@24.425,8.65 ; v1@19.35,22.6 v1(19.35,22.7) U16.7@19.35,23.45
USB_F_P: U12.8 U16.8 | length 20.6
  Solder Side w0.125: U16.8@18.85,23.45 18.85,22.583 19.283,22.15 19.5,22.15 19.5,21.875 19.288,21.875 19.288,21.6 19.475,21.6 19.475,21.325 19.125,21.325 19.125,21.05 19.504,21.05 19.504,20.775 19.125,20.775 19.125,20.5 19.504,20.5 19.504,20.225 19.125,20.225 19.125,19.95 19.504,19.95 19.504,19.675 19.125,19.675 19.125,19.375 24.8,13.7 24.8,12.511 24.787,12.499 24.787,12.157 24.8,12.144 24.8,9.325 24.925,9.2 U12.8@24.925,8.65
USB_N: J5.2 U12.2 | length 2.9
  Component Side w0.125: J5.2@24.35,4.575 24.325,4.6 24.35,4.625 v1(24.35,5.8)
  Solder Side w0.125: v1@24.325,5.8 24.5,5.975 U12.2@24.5,7.275 ; U12.2@24.4,7.35 U12.2@24.475,7.275
USB_P: J5.3 U12.1 | length 3
  Component Side w0.125: J5.3@25,4.575 24.975,4.6 25,4.625 v1(25,5.8)
  Solder Side w0.125: U12.1@24.85,7.35 24.85,5.95 v1@24.925,5.875 ; v1@24.975,5.8 v1@24.95,5.825 ; v1(25,5.8) v1@24.95,5.85 ; v1@24.925,5.875 24.925,5.85 v1@24.95,5.825 ; v1@24.925,5.875 v1@24.95,5.85 ; v1@24.95,5.825 v1@24.95,5.85
VBUS: 20.1 C95.2 J5.1 Q2.3 R60.2 R62.1 U12.6 | length 49.2
  Component Side w0.125: v1(22.95,6.575) 27.525,6.575 29.2,4.9 v1@29.2,3.525
  Component Side w0.4: 23.7,3.675 J5.1@23.7,4.575
  Component Side w0.6: 23.8,3.5 24.025,3.275
  Component Side w0.75: 24.025,3.275 27.875,3.275 28.125,3.525 29.2,3.525 30,2.725 30,1.389 30.439,0.95 v1(36.4,0.95) 41.475,0.95 42.588,2.063 42.588,5.533 44.289,7.234 44.809,7.234 v1(45.175,7.6)
  Solder Side w0.125: v1(22.95,6.575) 22.95,9.175 23.225,9.45 ; 20.1@23,11 23,9.675 23.225,9.45 ; U12.6@23.925,8.85 23.925,9.275 23.75,9.45 23.225,9.45
  Solder Side w0.5: v1(29.15,3.525) C95.2@30.2,3.525 ; v1(36.4,0.95) R62.1@36.4,2.025 ; v1(45.175,7.6) 45.175,7.882 45.468,8.175 Q2.3@45.975,8.175 47.432,8.175 47.725,8.468 R60.2@47.725,9.175
WAKEUP: 1.1 D11.2 H3.4 R43.1 U1.70 | length 94.7
  Component Side w0.125: v1(7.95,12.646) 8.2,12.896 8.2,20.325 11.425,23.55 11.425,30.876 17.051,36.503 22.41,36.503 24.012,34.9 v1(26.25,34.9) ; U1.70@27,45.7 27,46.7 v1(27.025,46.725) ; v1(27.201,40.327) 27.75,40.875 v1(27.75,41.425) ; v1(30.486,35.644) 31.553,36.711 33.036,36.711 34.275,37.95 34.275,39.492 34.49,39.707 v1(34.49,40.092) 35.29,40.891 R43.1@37.075,40.891 37.075,41.5 37.225,41.65 v1(43.875,41.65) ; v1(45.7,53.699) H3.4@47.657,53.699
  Solder Side w0.125: D11.2@7.95,10.388 v1(7.95,12.646) ; v1(26.25,34.9) 27.3,33.85 30.05,33.85 30.486,34.286 v1(30.486,35.644) ; 1.1@27.025,48 v1(27.025,46.725) 27.025,45.45 27.4,45.075 27.4,41.775 v1(27.75,41.425) ; v1(27.201,40.327) 27.437,40.092 v1(34.49,40.092) ; v1(43.875,41.65) 43.875,51.3 45.7,53.125 v1(45.7,53.699)
pads on no net: A1.2 A2.2 H1.0 H2.0 H3.0 H4.0 J5.4 J5.7 J5.8 J5.9 J5.10 J6.0 J6.3 U1.4 U1.5 U1.8 U1.75 U1.76 U1.82 U1.108 U1.109 U1.110 U1.111 U1.112 U1.119 U1.120 U1.122 U1.123 U1.124 U1.131 U1.141 U1.145 U1.146 U1.150 U1.152 U1.161 U4.6 U8.5 U9.5 U16.21 U16.22 U16.23 U16.24 U16.29 U16.34 U16.36 U16.43 U16.44 U16.45 U16.46 U16.55 U16.59 U16.60 U18.0 U19.5

## Polygon pours and split planes (outlines as drawn)
GND on Solder Side "Solder Side-GND" (solid, pour order 8): 0.25,0.25 0.25,67.573 17.427,84.75 32.573,84.75 49.75,67.573 49.75,0.25
GND on Component Side "Component Side-GND" (solid, pour order 4): 0.25,0.25 0.25,67.573 17.427,84.75 32.573,84.75 49.75,67.573 49.75,0.25
3V3_AO on Power Plane (split plane): 28.472,30.72 28.548,30.657 28.635,30.611 28.729,30.582 28.827,30.573 49.748,30.573 49.748,4 49.749,3.992 49.748,3.984 49.749,3.98 49.74,3.733 49.712,3.466 49.664,3.203 49.598,2.944 49.513,2.69 49.411,2.442 49.291,2.203 49.155,1.973 49.002,1.753 48.834,1.544 48.652,1.348 48.456,1.166 48.247,0.998 48.027,0.845 47.797,0.709 47.558,0.589 47.31,0.487 47.056,0.402 46.797,0.336 46.534,0.288 46.268,0.26 46.012,0.251 46,0.252 4,0.252 3.998,0.252 3.996,0.252 3.986,0.251 3.732,0.26 3.466,0.288 3.203,0.336 2.944,0.402 2.69,0.487 2.442,0.589 2.203,0.709 1.973,0.845 1.753,0.998 1.544,1.166 1.348,1.348 1.166,1.544 0.998,1.753 0.845,1.973 0.709,2.203 0.589,2.442 0.487,2.69 0.402,2.944 0.336,3.203 0.288,3.466 0.26,3.733 0.251,3.988 0.252,4 0.252,39.875 0.275,39.873 8.275,39.873 8.373,39.882 8.467,39.911 8.554,39.957 8.63,40.02 11.183,42.573 16.619,42.573
3V3_MT on Power Plane (split plane): 31.097,84.744 31.109,84.746 31.364,84.737 31.63,84.708 31.894,84.661 32.153,84.595 32.407,84.51 32.654,84.408 32.894,84.288 33.124,84.151 33.344,83.998 33.552,83.831 33.739,83.656 33.747,83.647 36.167,81.226 31.113,76.172 41.118,66.166 43.028,68.076 43.381,67.722 46.526,70.867 48.647,68.747 48.656,68.739 48.831,68.552 48.998,68.344 49.151,68.124 49.288,67.894 49.408,67.654 49.51,67.407 49.595,67.153 49.661,66.894 49.708,66.63 49.737,66.364 49.746,66.109 49.744,66.097 49.748,66.071 49.748,31.577 29.035,31.577 17.182,43.43 17.106,43.493 17.019,43.539 16.925,43.568 16.827,43.577 10.975,43.577 10.877,43.568 10.783,43.539 10.696,43.493 10.62,43.43 8.067,40.877 0.275,40.877 0.252,40.875 0.252,66.071 0.256,66.097 0.254,66.109 0.263,66.364 0.292,66.63 0.339,66.894 0.405,67.153 0.49,67.407 0.592,67.654 0.712,67.894 0.849,68.124 1.002,68.344 1.169,68.552 1.344,68.739 1.353,68.747 3.499,70.892 6.644,67.747 6.997,68.101 8.907,66.191 18.912,76.197 13.858,81.251 16.253,83.647 16.261,83.656 16.448,83.831 16.656,83.998 16.876,84.151 17.106,84.288 17.346,84.408 17.593,84.51 17.847,84.595 18.106,84.661 18.37,84.708 18.636,84.737 18.891,84.746 18.903,84.744 18.929,84.748 31.071,84.748
GND on Ground Plane (split plane): 31.097,84.744 31.109,84.746 31.364,84.737 31.63,84.708 31.894,84.661 32.153,84.595 32.407,84.51 32.654,84.408 32.894,84.288 33.124,84.151 33.344,83.998 33.552,83.831 33.739,83.656 33.747,83.647 37.061,80.332 32.823,76.093 41.025,67.891 42.899,69.765 43.252,69.411 45.617,71.776 48.647,68.747 48.656,68.739 48.831,68.552 48.998,68.344 49.151,68.124 49.288,67.894 49.408,67.654 49.51,67.407 49.595,67.153 49.661,66.894 49.708,66.63 49.737,66.364 49.746,66.109 49.744,66.097 49.748,66.071 49.748,4 49.749,3.992 49.748,3.984 49.749,3.98 49.74,3.733 49.712,3.466 49.664,3.203 49.598,2.944 49.513,2.69 49.411,2.442 49.291,2.203 49.155,1.973 49.002,1.753 48.834,1.544 48.652,1.348 48.456,1.166 48.247,0.998 48.027,0.845 47.797,0.709 47.558,0.589 47.31,0.487 47.056,0.402 46.797,0.336 46.534,0.288 46.268,0.26 46.012,0.251 46,0.252 4,0.252 3.998,0.252 3.996,0.252 3.986,0.251 3.732,0.26 3.466,0.288 3.203,0.336 2.944,0.402 2.69,0.487 2.442,0.589 2.203,0.709 1.973,0.845 1.753,0.998 1.544,1.166 1.348,1.348 1.166,1.544 0.998,1.753 0.845,1.973 0.709,2.203 0.589,2.442 0.487,2.69 0.402,2.944 0.336,3.203 0.288,3.466 0.26,3.733 0.251,3.988 0.252,4 0.252,66.071 0.256,66.097 0.254,66.109 0.263,66.364 0.292,66.63 0.339,66.894 0.405,67.153 0.49,67.407 0.592,67.654 0.712,67.894 0.849,68.124 1.002,68.344 1.169,68.552 1.344,68.739 1.353,68.747 4.403,71.797 6.771,69.429 7.124,69.783 8.998,67.909 17.2,76.112 12.959,80.353 16.253,83.647 16.261,83.656 16.448,83.831 16.656,83.998 16.876,84.151 17.106,84.288 17.346,84.408 17.593,84.51 17.847,84.595 18.106,84.661 18.37,84.708 18.636,84.737 18.891,84.746 18.903,84.744 18.929,84.748 31.071,84.748

## Keep-outs
Keep-Out Layer:
  lines w2.25: -1,4 ccw(c4,4) 4,-1 ; -1,66.1 cw(c4,66.1) 0.464,69.636 ; 15.364,84.536 cw(c18.9,81) 18.868,86 ; 31.1,86 cw(c31.1,81) 34.636,84.536 ; 46,-1 ccw(c46,4) 51,4 ; 49.536,69.636 cw(c46,66.1) 51,66.1

## Other copper
Component Side:
  pour cut-out: 31.712,48.829 31.712,48.962 31.775,49.025 31.795,49.025 32.19,49.421 32.768,49.421 32.8,49.389 32.8,48.75 32.575,48.525 31.675,48.525
  pour cut-out: 29.741,48.771 29.774,48.738 30.189,48.738 30.3,48.627 30.3,48.373 29.899,48.373 29.756,48.23 29.549,48.23 29.484,48.295 29.543,48.353 29.543,48.572
  pour cut-out: 15.675,54.664 15.822,54.664 15.871,54.713 15.871,54.856 15.675,55.052
  pour cut-out: 12.396,55.125 15.675,55.125 15.675,52.225 12.396,52.225
  pour cut-out: 16.75,54.525 17.581,54.525 17.836,54.27 18.112,54.27 18.305,54.463 18.305,54.606 18.367,54.669 18.386,54.65 18.605,54.65 18.725,54.53 18.725,54.123 18.252,54.123 18.225,54.125 17.65,54.139 17.347,53.925 17.153,53.925 16.762,54.316
  pour cut-out: 21.432,61.852 21.434,61.85 21.673,61.85 21.673,61.348 21.425,61.1 21.425,61.079
  pour cut-out: 45.798,71.957 43.252,69.411 42.899,69.765 41.025,67.891 32.823,76.093 37.242,80.513
  pour cut-out: 12.778,80.53 17.197,76.111 8.995,67.909 7.121,69.782 6.767,69.429 4.222,71.974
  pour cut-out: 45.798,71.957 43.252,69.411 42.899,69.765 41.025,67.891 32.823,76.093 37.242,80.513
  pour cut-out: 19.05,58.275 19.493,57.791 19.811,57.791 19.811,57.826 19.851,57.865 19.456,58.259 19.425,58.45
  pour cut-out: 20.408,57.927 20.738,57.596 20.988,57.596 21.297,57.288 21.357,57.348 21.357,57.427 20.745,58.125
  pour cut-out: 24.375,58.55 24.375,58.35 24.255,58.35 24.255,58.028 24.211,57.984 24.262,57.933 24.297,57.933 24.675,58.325
  pour cut-out: 23.075,58.175 23.075,57.726 23.061,57.712 23.091,57.681 23.156,57.681 23.525,58.05
  pour cut-out: 21.939,57.712 21.939,58.241 21.741,58.241 21.55,58.05 21.55,57.997 21.865,57.681
Solder Side:
  pour cut-out: 13.825,32.65 23.375,32.65 23.375,23.1 13.825,23.1
  pour cut-out: 45.798,71.957 43.252,69.411 42.899,69.765 41.025,67.891 32.823,76.093 37.242,80.513
  pour cut-out: 12.781,80.531 17.2,76.112 8.998,67.909 7.124,69.783 6.771,69.429 4.225,71.975
Ground Plane (plane layer: these items are gaps in the copper):
  pour cut-out: 16,53.875 17.6,53.875 17.6,53.175 16,53.175
  pour cut-out: 12.55,54.975 15.625,54.975 15.625,52.4 12.55,52.4
  pour cut-out: 45.798,71.957 43.252,69.411 42.899,69.765 41.025,67.891 32.823,76.093 37.242,80.513
  pour cut-out: 12.781,80.531 17.2,76.112 8.998,67.909 7.124,69.783 6.771,69.429 4.225,71.975
Power Plane (plane layer: these items are gaps in the copper):
  pour cut-out: 45.798,71.957 43.252,69.411 42.899,69.765 41.025,67.891 32.823,76.093 37.242,80.513
  pour cut-out: 12.781,80.531 17.2,76.112 8.998,67.909 7.124,69.783 6.771,69.429 4.225,71.975
  pour cut-out: 13.68,81.43 18.912,76.197 8.907,66.191 6.997,68.101 6.644,67.747 3.32,71.07
  pour cut-out: 36.345,81.405 31.113,76.172 41.118,66.166 43.028,68.076 43.381,67.722 46.705,71.045
  lines w1: 0.275,40.375 8.275,40.375 10.975,43.075 16.827,43.075 28.827,31.075 49.75,31.075

## Silkscreen, mask and mechanical layers (free items; w line width, h text height)
Top Overlay:
  drawing of 284 lines, arcs and shapes, not listed
  text "Main Antenna" at 34.275,75.6 h0.85 r315
  text "Aux Antenna" at 9.2,69.05 h0.85 r45
  text "P-MT3620RDB-1-7" at 9.95,34 h2.8
  text "5V DC" at 41.7,17.2 h1.8
  text "A" at 13.375,12.9 h2.8
  text "reset" at 23.1,12.9 h2.4
  text "B" at 35.05,12.9 h2.8
  text "J1: ADC VREF" at 20.275,11.784 h1.4
  text "J2: MT3620 3V3" at 20.275,10.434 h1.4
  text "J3: RTC 3V3" at 20.275,9.084 h1.4
  text "J4: EX_PMU_EN" at 20.275,7.734 h1.4
  text "3" at 13.475,-0.05 h2.8
  text "1" at 8.275,-0.075 h2.8
  text "2" at 10.875,-0.075 h2.8
  text "4" at 16.075,-0.1 h2.8
Bottom Overlay:
  drawing of 1516 lines, arcs and shapes, not listed
  text "CR2032" at 27.529,37.875 h1.8
Graphics Top (29):
  drawing of 85 lines, arcs and shapes, not listed
  text "Main Antenna" at 34.4,75.475 h2 r315
  text "Aux Antenna" at 9.4,69.225 h2 r45
  text "H1" at 4.2,57.4 h2.2
  text "H3" at 44.225,57.375 h2.2
  text "H2" at 4.175,40.875 h2.2
  text "H4" at 44.225,40.875 h2.2
  text "P-MT3620RDB-1-7" at 9.95,34 h2.8
  text "GND" at 41.604,20.944 h2
  text "J1" at 0.675,19.95 h2.8
  text "5V DC" at 41.4,17.1 h2
  text "J2" at 0.5,16.15 h2.8
  text "A" at 13.375,12.9 h2.8
  text "reset" at 23.1,12.9 h2.4
  text "B" at 35.05,12.9 h2.8
  text "J3" at 0.5,12.35 h2.8
  text "J1: ADC VREF" at 19.45,11.775 h2
  text "J2: MT3620 3V3" at 19.45,10.475 h2
  text "J3: RTC 3V3" at 19.45,9.125 h2
  text "J4" at 0.5,8.525 h2.8
  text "J4: EXT_PMU_EN" at 19.45,7.775 h2
  text "3" at 13.475,-0.05 h2.8
  text "1" at 8.275,-0.075 h2.8
  text "2" at 10.875,-0.075 h2.8
  text "4" at 16.075,-0.1 h2.8
Graphics Bottom (30):
  drawing of 1499 lines, arcs and shapes, not listed
  text "CR2032" at 27.529,37.875 h1.8
Board Outline (31):
  lines w0.1: 0,66.097 0,4 ccw(c4,4) 4,0 46,0 ccw(c46,4) 50,4 50,66.097 ; 0.003,66.097 cw(c4.003,66.097) 1.175,68.925 16.075,83.825 cw(c18.903,80.997) 18.903,84.997 ; 18.903,85 31.097,85 ; 31.097,84.997 cw(c31.097,80.997) 33.925,83.825 48.825,68.925 cw(c45.997,66.097) 49.997,66.097